# Altium PCB TruthEar.PcbDoc (part 1 of 2)
Units mm, origin at the board's own origin, x right, y up, seen from the top; angles counter-clockwise.
Board outline 104 x 110 mm, 2 copper layers (Top Layer, Bottom Layer); 142 components, 101 nets, 592 pads, 313 vias.
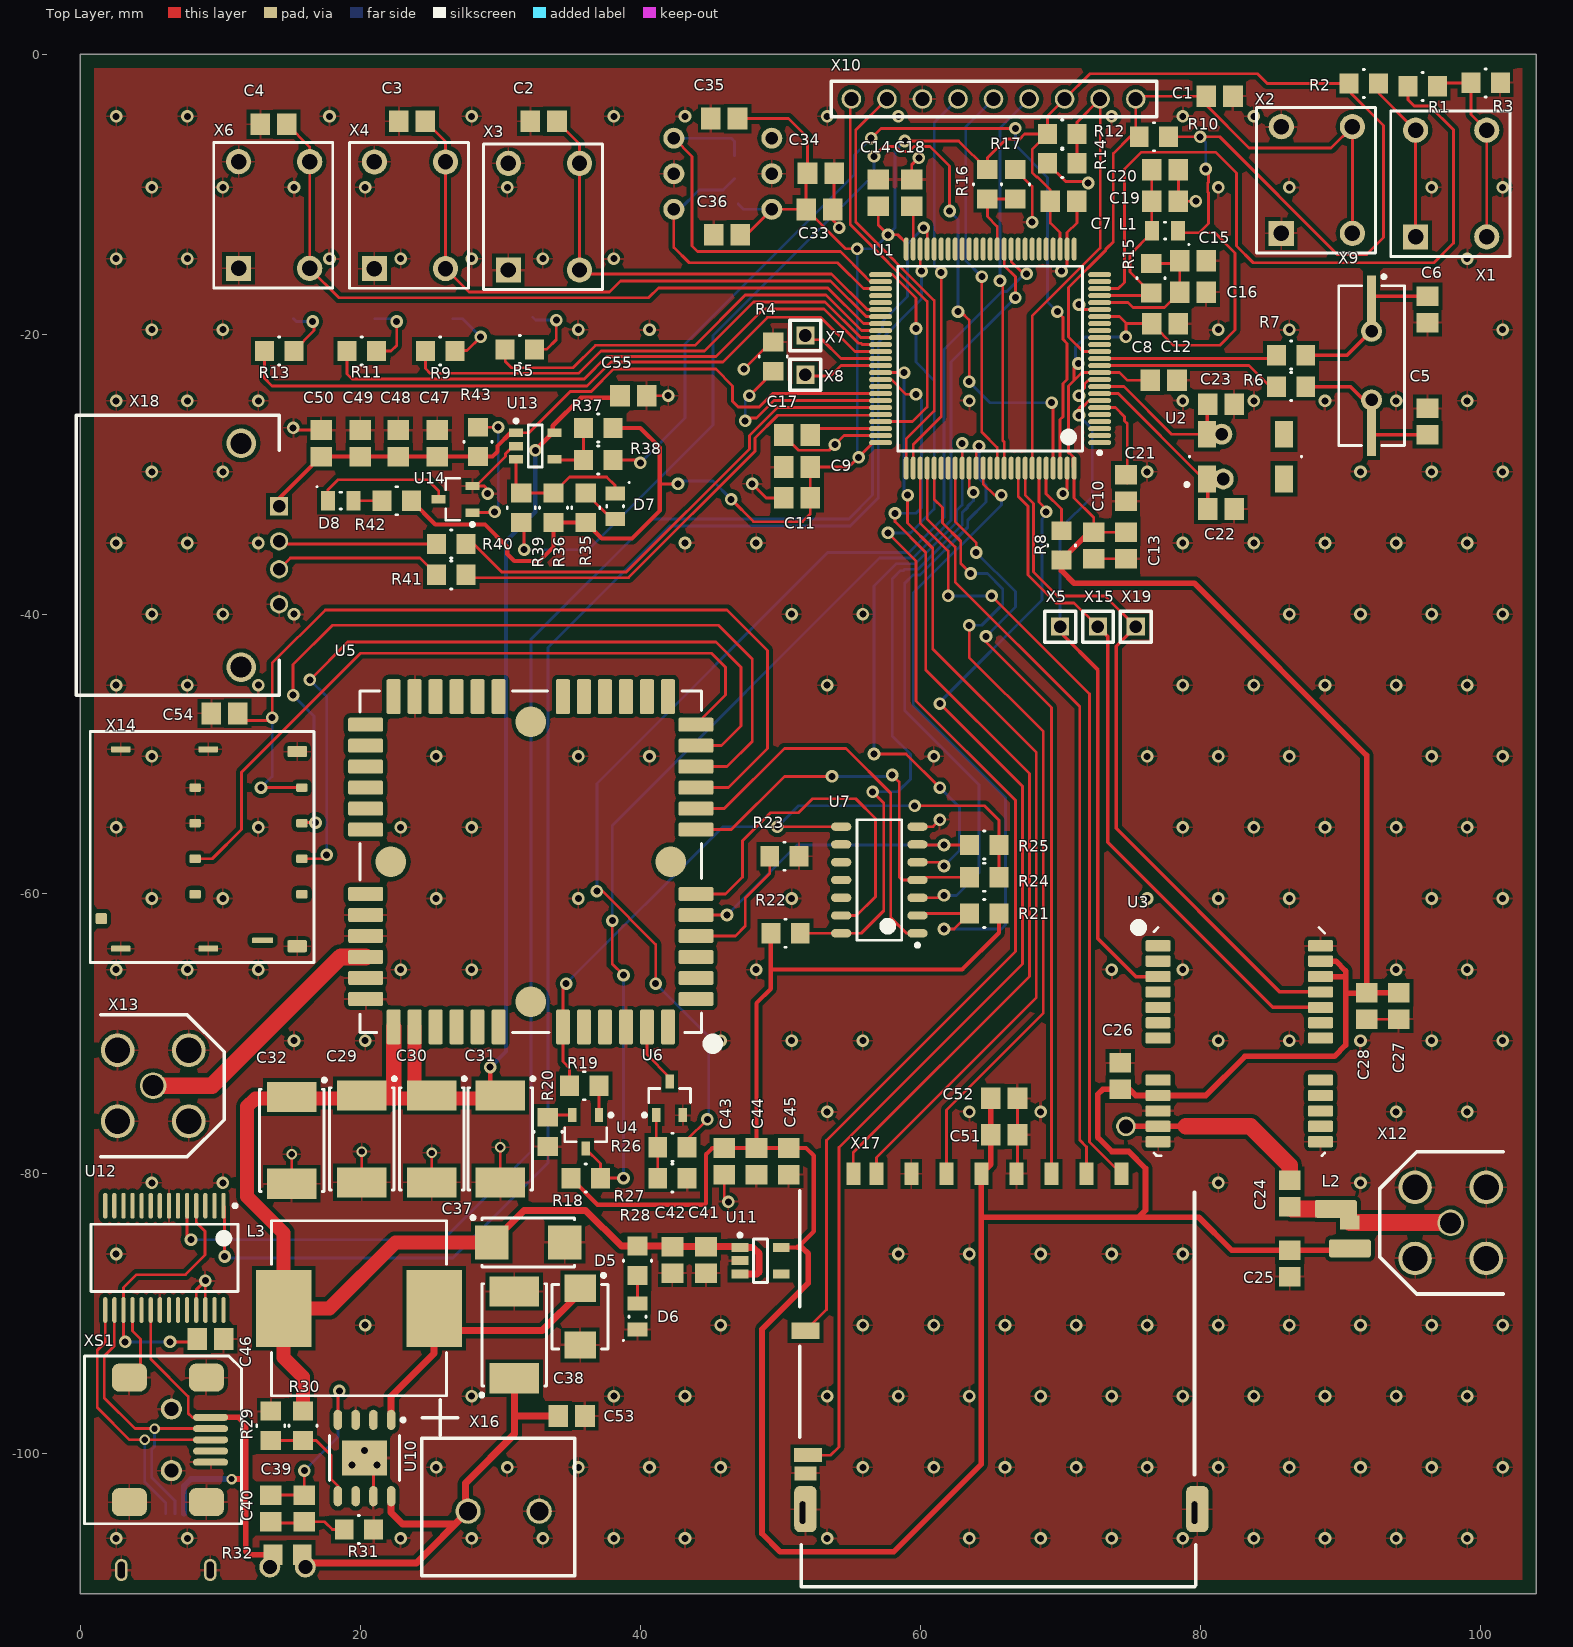
[diagram p0: Top Layer view]
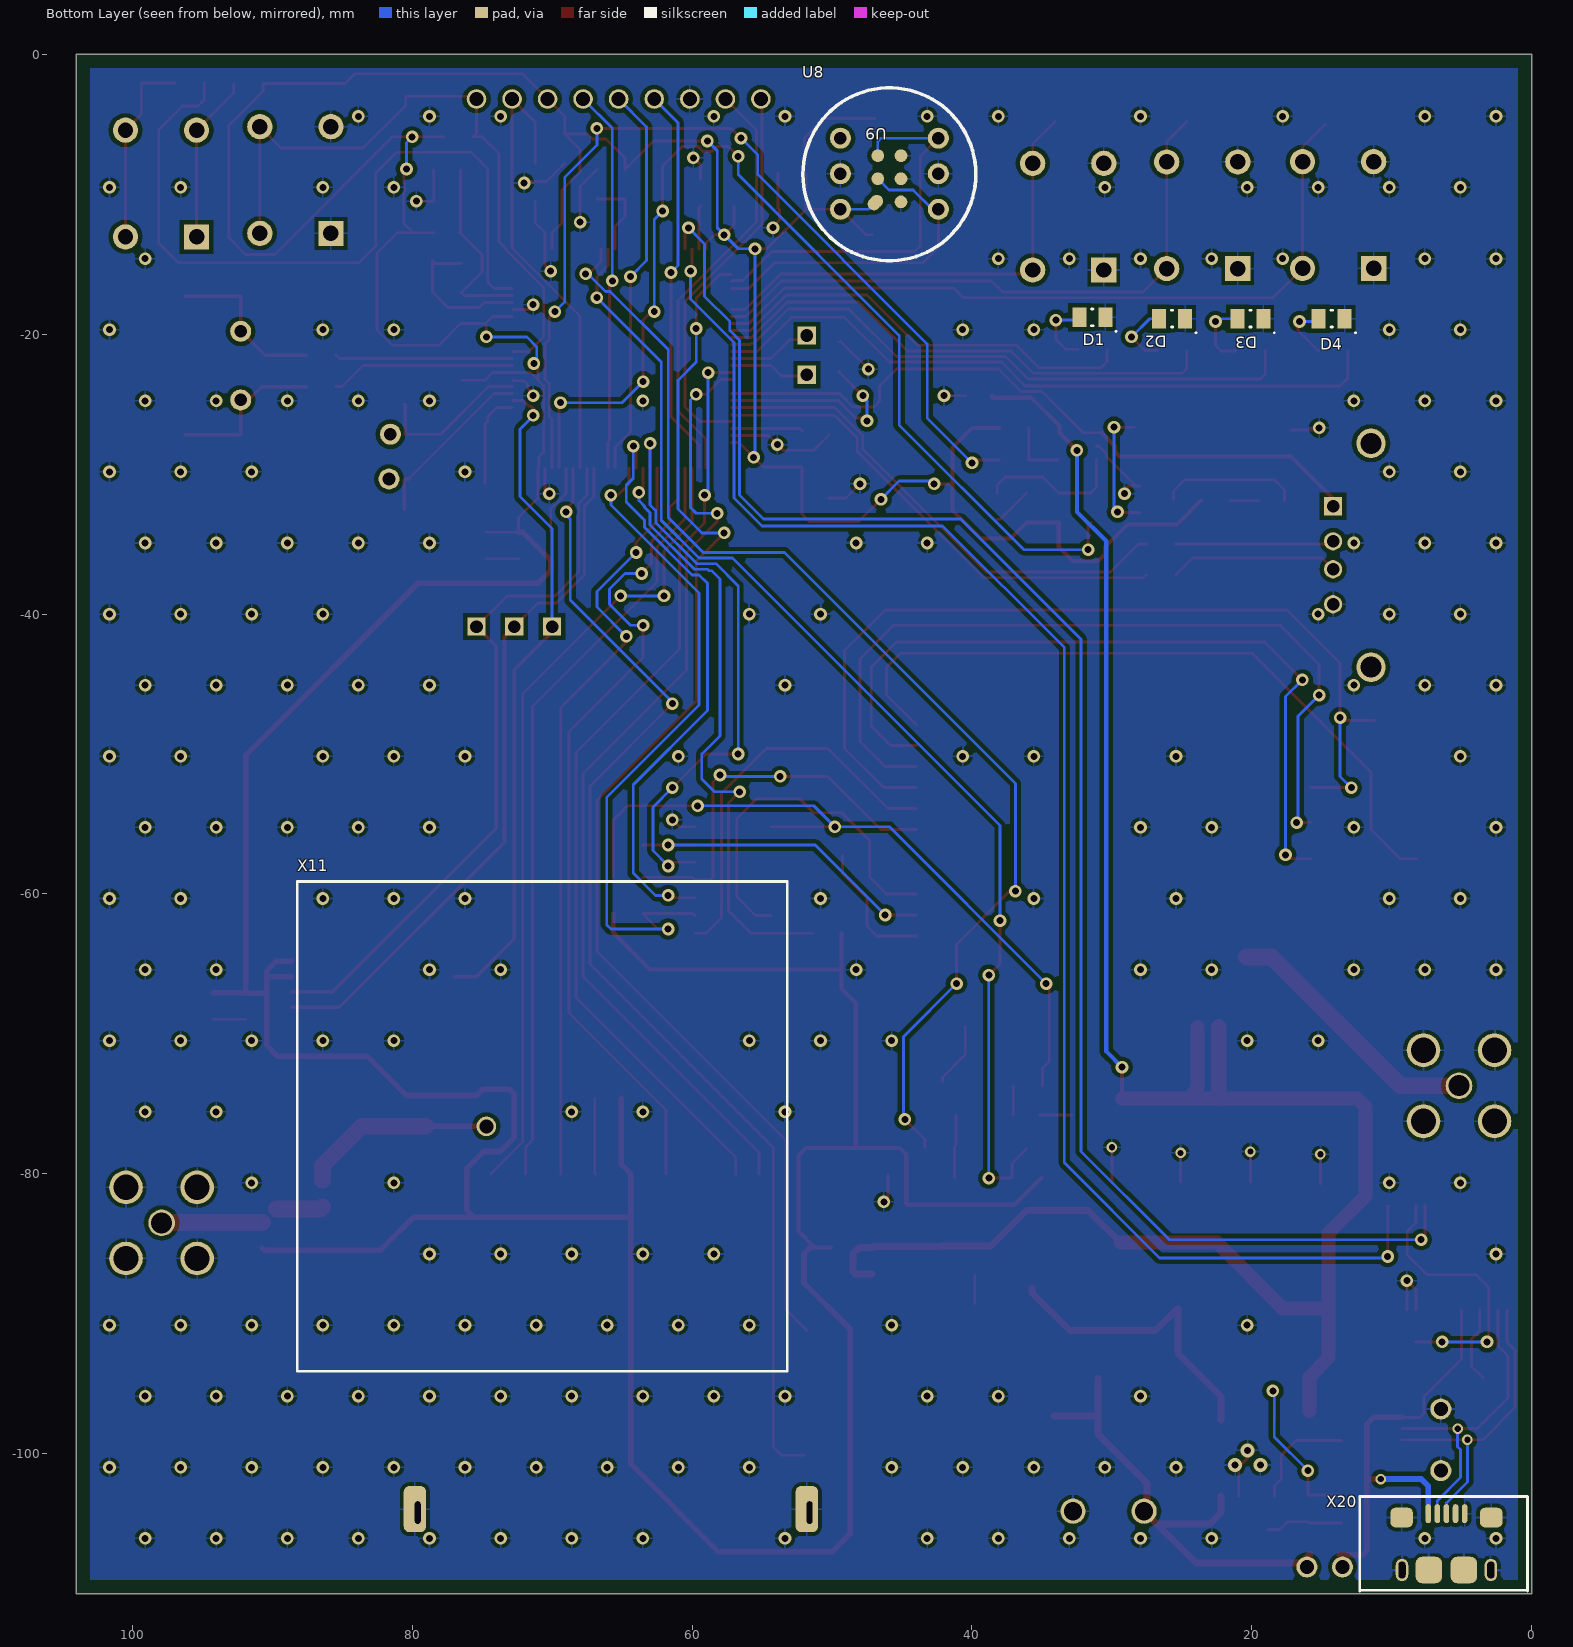
[diagram p1: Bottom Layer view, seen from below]

## Layer stack, top to bottom
Top Solder: solder mask 0.0102, Solder Resist, Dk 3.5
Top Layer: signal copper 0.0356
Dielectric 1: dielectric 0.32, FR-4, Dk 4.8
Bottom Layer: signal copper 0.0356
Bottom Solder: solder mask 0.0102, Solder Resist, Dk 3.5

## Board outline
0,-110 0,0 104,0 104,-110

## Design rules (kind name [scope] priority, off if disabled: settings)
Clearance [All] p1: gap=0.125 except(0.2: Arc-Track Arc-Fill Track-Track Via-Fill; 0.3: Arc-Poly Track-Fill Track-Poly SMDPad-Fill SMDPad-Poly THPad-Fill THPad-Poly Via-Poly Fill-Fill Fill-Poly Poly-Poly)
DiffPairsRouting [All] p1: maxlimit=10 minlimit=0.125 mostfreqgap=0.15 toplayer_minwidth=0.381 toplayer_maxwidth=0.381 toplayer_prefwidth=0.381 bottomlayer_minwidth=0.381 bottomlayer_maxwidth=0.381 bottomlayer_prefwidth=0.381 maxuncoupledlength=12.7
FabricationTestPointUsage FabricationTestPointUsage_1 [All] p1: valid=0 allowmultiple=FALSE
FabricationTestpoint FabricationTestpoint_1 [All] p1: side=3 testpointundercomponent=TRUE minsize=1.016 maxsize=2.54 preferedsize=1.524 minholesize=0 maxholesize=1.016 preferedholesize=0.813 testpointgrid=0.025 allowsidetop=TRUE allowsidebottom=TRUE usegrid=TRUE gridtolerance=0
HoleSize [All] p1: absolutevalues=TRUE maxlimit=6 minlimit=0.2 maxpercent=80.000 minpercent=20.000
HoleSize FabricationTestpoint [All] p2 off: absolutevalues=TRUE maxlimit=2.54 minlimit=0.025 maxpercent=80.000 minpercent=20.000
HoleSize FabricationTestPointUsage [All] p3 off: absolutevalues=TRUE maxlimit=2.54 minlimit=0.025 maxpercent=80.000 minpercent=20.000
MinimumSolderMaskSliver [All] p1: minsoldermaskwidth=0.1
PlaneClearance [All] p1: clearance=0.5
PlaneConnect [All] p1: planeconnectstyle=Relief reliefexpansion=0.4 reliefentries=4 reliefconductorwidth=0.15 reliefairgap=0.15
PolygonConnect [All] p1: connectstyle=Relief reliefconductorwidth=0.15 reliefentries=4 polygonreliefangle="90 Angle" airgapwidth=0.254
RoomDefinition sd [InComponentClass('sd')] p1: confinementstyle=ConfineIn formatcopy=TRUE lockcomponents=FALSE outline -33,-167 17.8,-167 17.8,-141.6 -33,-141.6
RoomDefinition pwr [InComponentClass('pwr')] p2: confinementstyle=ConfineIn formatcopy=TRUE lockcomponents=FALSE outline -33,-167 17.8,-167 17.8,-141.6 -33,-141.6
RoomDefinition otg [InComponentClass('otg')] p3: confinementstyle=ConfineIn formatcopy=TRUE lockcomponents=FALSE outline -33,-167 17.8,-167 17.8,-141.6 -33,-141.6
RoomDefinition mic [InComponentClass('mic')] p4: confinementstyle=ConfineIn formatcopy=TRUE lockcomponents=FALSE outline -33,-167 17.8,-167 17.8,-141.6 -33,-141.6
RoomDefinition gsm [InComponentClass('gsm')] p5: confinementstyle=ConfineIn formatcopy=TRUE lockcomponents=FALSE outline -33,-167 17.8,-167 17.8,-141.6 -33,-141.6
RoomDefinition gps [InComponentClass('gps')] p6: confinementstyle=ConfineIn formatcopy=TRUE lockcomponents=FALSE outline -33,-167 17.8,-167 17.8,-141.6 -33,-141.6
RoomDefinition cpu [InComponentClass('cpu')] p7: confinementstyle=ConfineIn formatcopy=TRUE lockcomponents=FALSE outline -33,-167 17.8,-167 17.8,-141.6 -33,-141.6
RoutingCorners [All] p1: cornerstyle=45-Degree minsetback=1.25 maxsetback=1.25
RoutingVias [All] p1: holewidth=0.3 width=0.6 viastyle="Through Hole" minholewidth=0.2 minwidth=0.45 maxholewidth=0.45 maxwidth=0.75
SilkToSilkClearance [All] p1: silktosilkclearance=0
SolderMaskExpansion [All] p1: expansion=0.075
Width [All] p1: maxlimit=10 minlimit=0.125 preferedwidth=0.15
21 further rules are at their usual default settings.

## Classes and differential pairs
component class cpu: C1 C2 C3 C4 C5 C6 C7 C8 C9 C10 C11 C12 C13 C14 C15 C16 C17 C18 C19 C20 C21 C22 C23 D1 D2 D3 D4 L1 R1 R2 R3 R4 R5 R6 R7 R8 R9 R10 R11 R12 R13 R14 R15 R16 R17 U1 U2 X1 X2 X3 X4 X5 X6 X7 X8 X9 X10 X15 X19
component class gps: C24 C25 C26 C27 C28 L2 U3 X11 X12
component class gsm: C29 C30 C31 C32 C54 R18 R19 R20 R21 R22 R23 R24 R25 R26 R27 U4 U5 U6 U7 X13 X14
component class mic: C33 C34 C35 C36 U8 U9
component class pwr: C37 C38 C39 C40 C41 C42 C43 C44 C45 C46 C53 D5 D6 L3 R28 R29 R30 R31 R32 U10 U11 U12 X16 X20 XS1
component class otg: C47 C48 C49 C50 C55 D7 D8 R35 R36 R37 R38 R39 R40 R41 R42 R43 U13 U14 X18
component class sd: C51 C52 X17
net class SD_DAT[3..0]: SD_DAT0 SD_DAT1 SD_DAT2 SD_DAT3

## Components (designator, comment, footprint, x,y, rotation, side; value= is the part's Value field where it differs from the comment)
C1 "0.1uF" CAPC2012X09M 81.4,-3 r0 top
C2 "0.1uF" CAPC2012X09M 33.1,-4.8 r180 top
C3 "0.1uF" CAPC2012X09M 23.7,-4.8 r180 top
C4 "0.1uF" CAPC2012X09M 13.8,-5 r180 top
C5 "18pF" CAPC2012X09M 96.25,-26.25 r90 top
C6 "18pF" CAPC2012X09M 96.25,-18.25 r270 top
C7 "0.1uF" CAPC2012X09M 70.25,-10.5 r0 top
C8 "0.1uF" CAPC2012X09M 77.4,-23.3 r0 top
C9 "0.1uF" CAPC2012X09M 51.2,-29.5 r180 top
C10 "0.1uF" CAPC2012X09M 72.4,-35.1 r270 top
C11 "0.1uF" CAPC2012X09M 51.2,-31.7 r180 top
C12 "0.1uF" CAPC2012X09M 77.5,-19.25 r0 top
C13 "0.1uF" CAPC2012X09M 74.7,-35.1 r270 top
C14 "0.1uF" CAPC2012X09M 57,-9.9 r90 top
C15 "1uF" CAPC2012X09M 79.5,-14.75 r0 top
C16 "0.1uF" CAPC2012X09M 79.5,-17 r0 top
C17 "2.2uF" CAPC2012X09M 51.2,-27.2 r180 top
C18 "2.2uF" CAPC2012X09M 59.4,-9.9 r90 top
C19 "1uF" CAPC2012X09M 77.5,-10.5 r180 top
C20 "0.1uF" CAPC2012X09M 77.5,-8.25 r180 top
C21 "1uF" CAPC2012X09M 74.7,-31 r270 top
C22 "6.8PF" CAPC2012X09M 81.5,-32.5 r0 top
C23 "6.8PF" CAPC2012X09M 81.5,-25 r0 top
C24 "27pF" CAPC2012X09M 86.4,-81.4 r90 top
C25 "27pF" CAPC2012X09M 86.4,-86.4 r90 top
C26 "0.1uF" CAPC2012X09M 74.3,-73 r90 top
C27 "0.1uF" CAPC2012X09M 94.2,-68 r270 top
C28 "10uF" CAPC2012X09M 91.9,-68 r270 top
C29 "330UF 6.3V" CAPMP7143X31N 20.1,-77.5 r270 top
C30 "330UF 6.3V" CAPMP7143X31N 25.1,-77.5 r270 top
C31 "330UF 6.3V" CAPMP7143X31N 30,-77.5 r270 top
C32 "330UF 6.3V" CAPMP7143X31N 15.1,-77.6 r270 top
C33 "0.1uF" CAPC2012X09M 52.8,-11.1 r0 top
C34 "0.1uF" CAPC2012X09M 52.9,-8.5 r0 top
C35 "10uF" CAPC2012X09M 46,-4.6 r180 top
C36 "10uF" CAPC2012X09M 46.2,-12.9 r180 top
C37 "100UF 6.3V" CAPMP6133X31N 32,-84.9 r0 top
C38 "22uF" CAPMP7143X31N 31,-91.5 r90 top
C39 "22nF" CAPC2012X09M 16,-103.9 r270 top
C40 "220pF" CAPC2012X09M 13.6,-103.9 r270 top
C41 "10uF" CAPC2012X09M 44.7,-86.15 r270 top
C42 "10uF" CAPC2012X09M 42.3,-86.15 r270 top
C43 "10uF" CAPC2012X09M 46,-79.1 r270 top
C44 "0.1uF" CAPC2012X09M 48.3,-79.1 r270 top
C45 "1uF" CAPC2012X09M 50.6,-79.1 r270 top
C46 "0.1uF" CAPC2012X09M 9.3,-91.8 r0 top
C47 "1uF" CAPC2012X09M 25.5,-27.8 r90 top
C48 "1uF" CAPC2012X09M 22.7,-27.8 r90 top
C49 "1uF" CAPC2012X09M 20,-27.8 r90 top
C50 "1uF" CAPC2012X09M 17.2,-27.8 r90 top
C51 "0.1uF" CAPC2012X09M 66,-77.2 r0 top
C52 "0.1uF" CAPC2012X09M 66,-74.6 r0 top
C53 "0.1uF" CAPC2012X09M 35.1,-97.3 r0 top
C54 "0.1uF" CAPC2012X09M 10.3,-47.1 r180 top
C55 "0.1uF" CAPC2012X09M 39.5,-24.4 r0 top
D1 "LED_GREEN" DIOC2012X11N 31.4,-18.8 r0 bottom
D2 "LED_GREEN" DIOC2012X11N 25.7,-18.9 r0 bottom
D3 "LED_RED" DIOC2012X11N 20.1,-18.9 r0 bottom
D4 "LED_RED" DIOC2012X11N 14.3,-18.9 r0 bottom
D5 "STPS340U" SODFL535X265-2N 35.7,-90.2 r270 top
D6 "LED_GREEN" DIOC2012X11N 39.8,-90.2 r90 top
D7 "LED_RED" DIOC2012X11N 38.2,-32.3 r270 top
D8 "LED_GREEN" DIOC2012X11N 18.6,-31.9 r0 top
L1 "BLM21RK102SN1D" DIOC2012X11N 77.5,-12.6 r180 top
L2 "RF inductor" DIOC2012X11N_RF 90.7,-84.4 r270 top
L3 "CDRH125NP-150MC" INDP123123X40N_SUMIDA 19.9,-89.6 r180 top
R1 "510" RESC2013X06M 95.9,-2.3 r180 top
R2 "510" RESC2013X06M 91.7,-2.1 r0 top
R3 "100K" RESC2013X06M 100.4,-2.05 r180 top
R4 "0" RESC2013X06M 49.5,-21.6 r270 top
R5 "510" RESC2013X06M 31.4,-21.1 r180 top
R6 "0" RESC2013X06M 86.5,-23.75 r0 top
R7 "33" RESC2013X06M 86.5,-21.5 r0 top
R8 "4.7K" RESC2013X06M 70.1,-35.1 r270 top
R9 "510" RESC2013X06M 25.7,-21.2 r180 top
R10 "10K" RESC2013X06M 76.7,-5.9 r180 top
R11 "510" RESC2013X06M 20.1,-21.2 r180 top
R12 "10K" RESC2013X06M 70.15,-5.7 r180 top
R13 "510" RESC2013X06M 14.2,-21.2 r180 top
R14 "510" RESC2013X06M 70.15,-7.8 r180 top
R15 "10R" RESC2013X06M 76.5,-16 r90 top
R16 "10K" RESC2013X06M 64.8,-9.3 r270 top
R17 "510" RESC2013X06M 66.8,-9.3 r270 top
R18 "1K" RESC2013X06M 36.1,-80.3 r180 top
R19 "1K" RESC2013X06M 36,-73.7 r180 top
R20 "1K" RESC2013X06M 33.4,-77 r90 top
R21 "1K" RESC2013X06M 64.579,-61.4 r0 top
R22 "1K" RESC2013X06M 50.379,-62.8 r180 top
R23 "1K" RESC2013X06M 50.3,-57.3 r0 top
R24 "1K" RESC2013X06M 64.579,-58.8 r0 top
R25 "1K" RESC2013X06M 64.579,-56.5 r0 top
R26 "1K" RESC2013X06M 42.3,-78.1 r180 top
R27 "1K" RESC2013X06M 42.3,-80.3 r180 top
R28 "1K" RESC2013X06M 39.8,-86.2 r90 top
R29 "18K" RESC2013X06M 13.6,-98 r90 top
R30 "44.2K" RESC2013X06M 15.9,-98 r270 top
R31 "4.7K" RESC2013X06M 19.9,-105.4 r0 top
R32 "0 CMeasure" RESC2013X06M_CMEASURE 14.8,-107.2 r0 top
R35 "510" RESC2013X06M 36.1,-32.4 r270 top
R36 "47K" RESC2013X06M 33.8,-32.4 r270 top
R37 "10K" RESC2013X06M 37,-26.7 r0 top
R38 "0" RESC2013X06M 37,-29 r180 top
R39 "0" RESC2013X06M 31.5,-32.4 r90 top
R40 "10R" RESC2013X06M 26.5,-35 r180 top
R41 "10R" RESC2013X06M 26.5,-37.2 r180 top
R42 "510" RESC2013X06M 22.6,-31.9 r0 top
R43 "47K" RESC2013X06M 28.4,-27.7 r270 top
U1 "STM32F407VGT6" TSQFP50P1600X1600X160-100M 65,-21.75 r180 top locked
U2 "32.768KHZ" SOJ550P380X254-4M 83.25,-28.75 r90 top
U3 "SL869V2" SL869V2_FOOT 82.8,-70.7 r0 top
U4 "BC817" SOT95P237X111-3N_SOT-23 36.1,-77 r270 top
U5 "GL865-DUAL" GL865_FOOT 32.179,-57.7 r180 top
U6 "BC817" SOT95P237X111-3N_SOT-23 42.1,-74.6 r90 top
U7 "74LVC07A" TSOP127P600X145-14N 57.079,-59 r180 top
U8 "STEVAL-MKI129V1" STEVAL-MKI129V1 42.4,-11.08 r0 bottom locked
U9 "MP45DT02" LGA6C165P2X3_376X472X125 45.9,-8.9 r0 bottom
U10 "L5973D013TR" SOIC127P600X175_HS-9N 20.3,-100.3 r270 top locked
U11 "TLV70233DBVT" SOT95P280X145-5M 48.6,-86.2 r0 top
U12 "FT232RL" SOP65P780X200-28M 6,-86 r270 top
U13 "STMPS2141STR" SOT95P280X145-5N 32.5,-28 r0 top
U14 "BC817" SOT95P237X111-3N_SOT-23 26.8,-31.8 r180 top
X1 "PUSH BTN" PUSHBTN 95.4,-13.05 r0 top
X2 "PUSH BTN" PUSHBTN 85.8,-12.8 r0 top
X3 "PUSH BTN" PUSHBTN 30.582,-15.417 r0 top
X4 "PUSH BTN" PUSHBTN 21.007,-15.317 r0 top
X5 "TestPoint" TP 70,-40.9 r0 top
X6 "PUSH BTN" PUSHBTN 11.3,-15.3 r0 top
X7 "TestPoint" TP 51.8,-20.1 r0 top
X8 "TestPoint" TP 51.8,-22.9 r0 top
X9 "25.000Mhz" SODFL1270X420-2L 92.25,-22.25 r270 top
X10 "PLS9" PLS9 75.4,-3.2 r180 top
X11 "PATCH_ANTENNA" PATCH_ANTENNA 74.7,-76.6 r90 bottom
X12 "SMA6252A2-3GT50G-50" SMA6252A2-3GT50G-50 97.9,-83.5 r0 top
X13 "SMA6252A2-3GT50G-50" SMA6252A2-3GT50G-50 5.2,-73.7 r180 top
X14 "115I-AEAA" 115I-AEAA 8.2,-52.4 r0 top
X15 "TestPoint" TP 72.7,-40.9 r0 top
X16 "POWER_TERM" PH5 27.7,-104.1 r0 top
X17 "104H-TDA0-R01" 104H-TDA0-R01 65,-80 r0 top
X18 "743941-da-01" USB-A 14.2,-35.8 r90 top
X19 "TestPoint" TP 75.4,-40.9 r0 top
X20 "10118193-0001LF" USB_MICRO_10118193 6.1,-108.3 r180 bottom
XS1 "16M2764" USB_MINI_16M2764 9,-99 r270 top

## Footprints (in the part's own frame and the unit in brackets; to place one, negate y for a bottom-side part, rotate by r counter-clockwise, add the part's x,y. Pads: shape width x height; smd on the part's side, far side on the other; paste and mask are expansions set on the pad)
104H-TDA0-R01 [mm] "SD card connector"
  rect 1x1.6 smd: 1(6.88,0) 2(4.38,0) 3(1.88,0) 4(-0.63,0) 5(-3.13,0) 6(-5.63,0) 7(-8.13,0) 8(-9.78,0) 9(9.38,0)
  rect 2x1.2 smd: 10(-13.2,-11.2)
  rect 2x1 smd: 11(-13,-20.1)
  rect 1.55x1 smd: 12(-13.2,-21.4)
  rrect50% 1.6x3.3 hole 0.4 slot 1.6 at 90 deg copper offset 0.2,0.25: 13(-13.4,-24.2) 14(14.6,-24.2)
  silkscreen extent -13.6,-29.5 14.7,-1.2, body extent -13.48,-29.5 14.68,0.31, height 2.7
115I-AEAA [mm] "SIM card holder"
  rrect25% 0.8x0.6 smd: C1(7.62,0) C2(7.62,-2.54) C3(7.62,-5.08) C4(7.62,-7.62) C5(0,0) C6(0,-2.54) C7(0,-5.08) C8(0,-7.62)
  rrect25% 0.8x0.8 smd: D0(-6.71,-9.36)
  rrect25% 1.5x0.4 smd: D1(4.82,-10.92)
  rrect25% 1.4x0.8 smd: GND1(7.29,2.57)
  rrect25% 1.4x0.42 smd: GND2(0.94,2.73) GND3(-5.32,2.73) GND4(-5.32,-11.5) GND5(0.94,-11.5)
  rrect25% 1.4x0.87 smd: GND6(7.29,-11.33)
  silkscreen extent -7.5,-12.5 8.5,4, body extent -7.32,-11.64 7.9,2.84, height 1.2
CAPC2012X09M [mm] "Chip Capacitor, 2-Leads, Body 2,01x1,25mm, IPC Low Density"
  rect 1.4x1.55 smd: 1(-0.95,0) 2(0.95,0)
  body extent -1.1,-0.72 1.11,0.72, height 0.94
CAPMP6133X31N [mm] "CASE C Molded Capacitor, 2-Leads, Body 6.15x3.30mm, IPC Medium Density"
  rect 2.4x2.45 smd: 1(-2.6,0) 2(2.6,0)
  silkscreen extent -4.07,-1.75 3.3,1.9, body extent -3.3,-1.75 3.3,1.75, height 3.1
CAPMP7143X31N [mm] "CASE D Molded Capacitor, 2-Leads, Body 7.15x4.30mm, IPC Medium Density"
  rect 2.15x3.55 smd: 1(-3.1,0) 2(3.1,0)
  silkscreen extent -4.42,-2.3 3.65,2.45, body extent -3.65,-2.3 3.65,2.3, height 3.1
DIOC2012X11N [mm] "Chip Diode, 2-Leads, Body 2.00x1.25mm, IPC Medium Density"
  rect 1x1.4 smd: 1(-0.925,0) 2(0.925,0)
  silkscreen extent -1.75,-0.6 0.05,1.05, body extent -1,-0.63 1,0.63, height 1.1
DIOC2012X11N_RF [mm] "Chip Diode, 2-Leads, Body 2.00x1.25mm, IPC Medium Density"
  rrect25% 1.27x3 smd: 1(-1.9,-1) 2(0.925,0)
  rect 1x1.4 smd: 1(-0.925,0) 2(0.925,0)
  body extent -1,-0.63 1,0.63, height 1.1
GL865_FOOT [mm]
  rrect25% 2.5x1 smd: 1(-11.8,9.8) 2(-11.8,8.3) 3(-11.8,6.8) 4(-11.8,5.3) 5(-11.8,3.8) 6(-11.8,2.3) 7(-11.8,-2.3) 8(-11.8,-3.8) 9(-11.8,-5.3) 10(-11.8,-6.8) 11(-11.8,-8.3) 12(-11.8,-9.8) 25(11.8,-9.8) 26(11.8,-8.3) 27(11.8,-5.3) 27(11.8,-6.8) 29(11.8,-3.8) 30(11.8,-2.3) 31(11.8,2.3) 32(11.8,3.8) 33(11.8,5.3) 34(11.8,6.8) 35(11.8,8.3) 36(11.8,9.8)
  rrect25% 1x2.5 smd: 13(-9.8,-11.8) 14(-8.3,-11.8) 15(-6.8,-11.8) 16(-5.3,-11.8) 17(-3.8,-11.8) 18(-2.3,-11.8) 19(2.3,-11.8) 20(3.8,-11.8) 21(5.3,-11.8) 22(6.8,-11.8) 23(8.3,-11.8) 24(9.8,-11.8) 37(9.8,11.8) 38(8.3,11.8) 39(6.8,11.8) 40(5.3,11.8) 41(3.8,11.8) 42(2.3,11.8) 43(-2.3,11.8) 44(-3.8,11.8) 45(-5.3,11.8) 46(-6.8,11.8) 47(-8.3,11.8) 48(-9.8,11.8)
  round 2.2 smd: 49(0,10) 50(10,0) 51(-10,0) 52(0,-10)
  silkscreen extent -13.22,-12.2 12.2,13.22, body extent -12.2,-12.2 12.2,12.2, height 2.9
INDP123123X40N_SUMIDA [mm] "Precision Wire Wound Inductor, 2-Leads, Body 12.35x12.35mm, IPC Medium Density"
  rect 3.95x5.5 smd: 1(-5.375,0) 2(5.375,0)
  silkscreen extent -6.25,-6.25 6.25,6.25, body extent -6.25,-6.25 6.25,6.25, height 4
LGA6C165P2X3_376X472X125 [mm] "LGA, 6-Leads, Body 3,76x4,72mmx1,25mm, Pitch 1,65mm"
  round 0.91 smd: 1(-0.825,1.65) 2(-0.825,0) 3(-0.825,-1.65) 4(0.825,-1.65) 5(0.825,0) 6(0.9,1.6) 6(1.1,1.8)
  body extent -1.9,-2.39 1.91,2.38, height 1.25
PATCH_ANTENNA [mm] "1 pin"
  round 1.4 hole 1: 1(0,0)
  silkscreen extent -17.5,-21.5 17.5,13.5
PH5 [mm] "Phoenix Contact 5.08mm"
  round 1.8 hole 1.3: 1(0,0) 2(5.08,0)
  silkscreen extent -3.3,-4.6 7.62,7.96, body extent -3.25,-4.6 7.65,5.2, height 14.2
PLS9 [mm] "2.54 mm Jumper Header"
  round 1.4 hole 1: 1(0,0) 2(2.54,0) 3(5.08,0) 4(7.62,0) 5(10.16,0) 6(12.7,0) 7(15.24,0) 8(17.78,0) 9(20.32,0)
  silkscreen extent -1.5,-1.27 21.75,1.27
PUSHBTN [mm]
  rect 1.8x1.8 hole 1.1: 1(0,0)
  round 1.8 hole 1.1: 2(5.08,0) 3(0,7.62) 4(5.08,7.62)
  silkscreen extent -1.78,-1.4 6.73,9
RESC2013X06M [mm] "Chip Resistor, 2-Leads, Body 2,03x1,27mm, IPC Low Density"
  rect 1.35x1.45 smd: 1(-1.05,0) 2(1.05,0)
  silkscreen extent -0.05,-1 0.05,1, body extent -1.14,-0.64 1.14,0.64, height 0.59
RESC2013X06M_CMEASURE [mm] "Chip Resistor, 2-Leads, Body 2,03x1,27mm, IPC Low Density"
  round 1.5 hole 1: 1(-1.27,-0.889) 2(1.27,-0.889)
  rect 1.35x1.45 smd: 1(-1.05,0) 2(1.05,0)
  body extent -1.14,-0.64 1.14,0.64, height 0.59
SL869V2_FOOT [mm]
  rrect25% 1.8x0.8 smd: 1(-5.8,7) 2(-5.8,5.9) 3(-5.8,4.8) 4(-5.8,3.7) 5(-5.8,2.6) 6(-5.8,1.5) 7(-5.8,0.4) 8(-5.8,-2.6) 9(-5.8,-3.7) 10(-5.8,-4.8) 11(-5.8,-5.9) 12(-5.8,-7) 13(5.8,-7) 14(5.8,-5.9) 15(5.8,-4.8) 16(5.8,-3.7) 17(5.8,-2.6) 18(5.8,0.4) 19(5.8,1.5) 20(5.8,2.6) 21(5.8,3.7) 22(5.8,4.8) 23(5.8,5.9) 24(5.8,7)
  silkscreen extent -7.3,-8 6.1,8.4, body extent -6.1,-8 6.1,8
SMA6252A2-3GT50G-50 [mm] "SMA6252A2-3GT50G-50"
  round 2.4 hole 1.8: 1(-2.54,2.54) 2(-2.54,-2.54) 3(2.54,-2.54) 4(2.54,2.54)
  round 1.9 hole 1.5: 5(0,0)
  silkscreen extent -5.08,-5.08 3.75,5.08
SODFL535X265-2N [mm] "SODFL, 2-Leads, Body 3.63x5.35mm, IPC Medium Density"
  rect 1.95x2.25 smd: 1(-2.025,0) 2(2.025,0)
  silkscreen extent -3.07,-2 2.3,2, body extent -2.3,-1.97 2.3,1.97, height 2.65
SODFL1270X420-2L [mm] "SODFL, 2-Leads, Body 4,70x12,70mm, IPC High Density"
  rect 4x0.65 smd: 1(-4.45,0) 2(4.45,0)
  round 1.5 hole 0.9: 1(-2.45,0) 2(2.45,0)
  silkscreen extent -6.47,-2.35 5.7,2.35, body extent -6.35,-2.35 6.35,2.35, height 4.2
SOIC127P600X175_HS-9N [mm] "SOIC, 8-Leads, Body 4.90x3.90mm, Pitch 1.27mm, Thermal Pad 3.20x2.51mm, IPC Medium Density"
  oval 1.45x0.6 smd: 1(-2.725,1.905) 2(-2.725,0.635) 3(-2.725,-0.635) 4(-2.725,-1.905) 5(2.725,-1.905) 6(2.725,-0.635) 7(2.725,0.635) 8(2.725,1.905)
  rect 2.51x3.2 smd: 9(0,0)
  silkscreen extent -2.85,-2.5 1.6,2.88, body extent -2,-2.5 2,2.5, height 1.75
SOJ550P380X254-4M [mm] "SOJ, 4-Leads, Body 8,00x3,80mm, Pitch 5,50mm, IPC Low Density"
  round 1.5 hole 0.9: 1(-1.6,1.6) 4(1.6,1.7)
  rect 1.9x1.3 smd: 1(-1.6,2.75) 2(-1.6,-2.75) 3(1.6,-2.75) 4(1.6,2.75)
  silkscreen extent -2.12,-4 0.03,4.32, body extent -2.1,-4 2.1,4, height 2.54
SOP65P780X200-28M [mm] "SOP, 28-Leads, Body 10,30x5,30mm, Pitch 0,65mm, IPC Low Density"
  oval 1.85x0.3 smd: 1(-3.725,4.225) 2(-3.725,3.575) 3(-3.725,2.925) 4(-3.725,2.275) 5(-3.725,1.625) 6(-3.725,0.975) 7(-3.725,0.325) 8(-3.725,-0.325) 9(-3.725,-0.975) 10(-3.725,-1.625) 11(-3.725,-2.275) 12(-3.725,-2.925) 13(-3.725,-3.575) 14(-3.725,-4.225) 15(3.725,-4.225) 16(3.725,-3.575) 17(3.725,-2.925) 18(3.725,-2.275) 19(3.725,-1.625) 20(3.725,-0.975) 21(3.725,-0.325) 22(3.725,0.325) 23(3.725,0.975) 24(3.725,1.625) 25(3.725,2.275) 26(3.725,2.925) 27(3.725,3.575) 28(3.725,4.225)
  silkscreen extent -3.85,-5.25 2.4,5.25, body extent -3.9,-5.25 3.9,5.25, height 2
SOT95P237X111-3N_SOT-23 [mm] "SOT23, 3-Leads, Body 2.92x2.37mm, Pitch 0.95mm, IPC Medium Density"
  rect 1x0.6 smd: 1(-1.2,0.95) 2(-1.2,-0.95) 3(1.2,0)
  silkscreen extent -1.32,-1.5 0.7,1.93, body extent -0.7,-1.52 0.7,1.52, height 1.11
SOT95P280X145-5M [mm] "SOT23, 5-Leads, Body 2,90x2,80mm, Pitch 0,95mm, IPC Low Density"
  rect 1.2x0.65 smd: 1(-1.475,0.95) 2(-1.475,0) 3(-1.475,-0.95) 4(1.475,-0.95) 5(1.475,0.95)
  silkscreen extent -1.6,-1.55 0.5,1.95, body extent -0.88,-1.52 0.87,1.53, height 1.45
SOT95P280X145-5N [mm] "SOT23, 5-Leads, Body 2,90x2,80mm, Pitch 0,95mm, IPC Medium Density"
  rect 1x0.6 smd: 1(-1.375,0.95) 2(-1.375,0) 3(-1.375,-0.95) 4(1.375,-0.95) 5(1.375,0.95)
  silkscreen extent -1.5,-1.5 0.5,1.92, body extent -1.6,-1.5 1.6,1.5, height 1.45
STEVAL-MKI129V1 [mm] "Microphone Board"
  round 1.5 hole 0.9: 1(0,0) 2(0,-2.54) 3(0,-5.08) 4(7,-5.08) 5(7,-2.54) 6(7,0)
  silkscreen extent -2.68,-8.67 9.68,3.67
TP [mm] "TestPoint"
  rect 1.3x1.3 hole 0.9: 1(0,0)
  silkscreen extent -1.1,-1.1 1.1,1.1
TSOP127P600X145-14N [mm] "TSOP, 14-Leads, Body 8,65x3,90mm, Pitch 1,27mm, IPC Medium Density"
  oval 1.45x0.6 smd: 1(-2.725,3.81) 2(-2.725,2.54) 3(-2.725,1.27) 4(-2.725,0) 5(-2.725,-1.27) 6(-2.725,-2.54) 7(-2.725,-3.81) 8(2.725,-3.81) 9(2.725,-2.54) 10(2.725,-1.27) 11(2.725,0) 12(2.725,1.27) 13(2.725,2.54) 14(2.725,3.81)
  silkscreen extent -2.85,-4.3 1.6,4.78, body extent -3,-4.3 3,4.3, height 1.45
TSQFP50P1600X1600X160-100M [mm] "TSQFP, 100-Leads, Body 14.00x14.00mm, Pitch 0.50mm, IPC Low Density"
  oval 1.65x0.35 smd: 1(-7.825,6) 2(-7.825,5.5) 3(-7.825,5) 4(-7.825,4.5) 5(-7.825,4) 6(-7.825,3.5) 7(-7.825,3) 8(-7.825,2.5) 9(-7.825,2) 10(-7.825,1.5) 11(-7.825,1) 12(-7.825,0.5) 13(-7.825,0) 14(-7.825,-0.5) 15(-7.825,-1) 16(-7.825,-1.5) 17(-7.825,-2) 18(-7.825,-2.5) 19(-7.825,-3) 20(-7.825,-3.5) 21(-7.825,-4) 22(-7.825,-4.5) 23(-7.825,-5) 24(-7.825,-5.5) 25(-7.825,-6) 51(7.825,-6) 52(7.825,-5.5) 53(7.825,-5) 54(7.825,-4.5) 55(7.825,-4) 56(7.825,-3.5) 57(7.825,-3) 58(7.825,-2.5) 59(7.825,-2) 60(7.825,-1.5) 61(7.825,-1) 62(7.825,-0.5) 63(7.825,0) 64(7.825,0.5) 65(7.825,1) 66(7.825,1.5) 67(7.825,2) 68(7.825,2.5) 69(7.825,3) 70(7.825,3.5) 71(7.825,4) 72(7.825,4.5) 73(7.825,5) 74(7.825,5.5) 75(7.825,6)
  oval 0.35x1.65 smd: 26(-6,-7.825) 27(-5.5,-7.825) 28(-5,-7.825) 29(-4.5,-7.825) 30(-4,-7.825) 31(-3.5,-7.825) 32(-3,-7.825) 33(-2.5,-7.825) 34(-2,-7.825) 35(-1.5,-7.825) 36(-1,-7.825) 37(-0.5,-7.825) 38(0,-7.825) 39(0.5,-7.825) 40(1,-7.825) 41(1.5,-7.825) 42(2,-7.825) 43(2.5,-7.825) 44(3,-7.825) 45(3.5,-7.825) 46(4,-7.825) 47(4.5,-7.825) 48(5,-7.825) 49(5.5,-7.825) 50(6,-7.825) 76(6,7.825) 77(5.5,7.825) 78(5,7.825) 79(4.5,7.825) 80(4,7.825) 81(3.5,7.825) 82(3,7.825) 83(2.5,7.825) 84(2,7.825) 85(1.5,7.825) 86(1,7.825) 87(0.5,7.825) 88(0,7.825) 89(-0.5,7.825) 90(-1,7.825) 91(-1.5,7.825) 92(-2,7.825) 93(-2.5,7.825) 94(-3,7.825) 95(-3.5,7.825) 96(-4,7.825) 97(-4.5,7.825) 98(-5,7.825) 99(-5.5,7.825) 100(-6,7.825)
  silkscreen extent -7.95,-6.6 6.6,6.85, body extent -7,-7 7,7, height 1.6
USB-A [mm] "FEMALE"
  rect 1.3x1.3 hole 0.9: 1(3.5,0)
  round 1.3 hole 0.9: 2(1,0) 3(-1,0) 4(-3.5,0)
  round 2.1 hole 1.5: 5(8,2.71) 6(-8,2.71)
  silkscreen extent -10,0 10,14.5, body extent -8.55,-0.6 8.55,13.4, height 6.57
USB_MICRO_10118193 [mm]
  oval 0.4x1.35 smd mask+0.125: 1(-1.3,4.025) 2(-0.65,4.025) 3(0,4.025) 4(0.65,4.025) 5(1.3,4.025)
  rrect50% 1.6x1.4 smd: 6(-3.2,3.75) 7(3.2,3.75)
  rrect50% 1.9x1.9 smd: 8(-1.25,0) 9(1.25,0)
  oval 0.9x1.6 hole 0.5 slot 1.2 at 90 deg: 10(-3.175,0) 11(3.175,0)
  silkscreen extent -6.2,-1.5 5.8,5.25
USB_MINI_16M2764 [mm] "USB-06_1800"
  oval 0.5x2.5 smd: 1(-1.6,0.3) 2(-0.8,0.3) 3(0,0.3) 4(0.8,0.3) 5(1.6,0.3)
  rrect50% 2x2.5 smd: 6(-4.45,0) 7(4.45,0) 8(-4.45,-5.5) 9(4.45,-5.5)
  round 1.5 hole 1: 10(-2.2,-2.5) 11(2.2,-2.5)
  silkscreen extent -6,-8.7 6,2.5, body extent -4.95,-8.4 4.95,0.8, height 4.14

## Part data
C1 C2 C3 C4 C7 C8 C9 C10 C11 C12 C13 C14 C16 C20 C26 C27 C33 C34 C44 C46 C51 C52 C53 C54 C55: library part CAP_SMD_0.1UF_10%, "CAP CER 0.1UF 25V 10% X7R 0805"
C5 C6: library part CAP_SMD_18PF_5%, "CAP CER 27PF 200V 5% NP0 0805"
C15 C19 C21 C45 C47 C48 C49 C50: library part CAP_SMD_1uF_10%, "MLCC; 1uF; 25V; X7R; ±10%; SMD; 0805;"
C17 C18: library part CAP_SMD_2.2uF_10%, "CAP CER 2.2UF 16V 10% X5R 0805"
C22 C23: library part CAP_SMD_6.8PF_5%, "CAP MLCC 6.8PF 50V 5% NP0 0805"
C24 C25: library part CAP_SMD_27PF_5%, "CAP CER 27PF 200V 5% NP0 0805"
C28 C35 C36 C41 C42 C43: library part CAP_SMD_10UF_20%, "CAP CER 10UF 16V 20% X5R 0805"
C29 C30 C31 C32: library part CAP_SMD_330UF_10%, "CAP 330uF; 6.3V; Case: D"
C37: library part CAP_SMD_100UF_10%, "CAP 100uF; 6.3V; Case: C; ESR:150mOhm"
C38: library part CAP_SMD_22UF_10%, "CAP SMD 35volts 22uF 10% ESR=300mOhms"
C39: library part CAP_SMD_22nF_10%, "CAP 22NF 50V 10% X7R 0805"
C40: library part CAP_SMD_220pF_10%, "CAP 220PF 50V 10%  0805"
D5: "DIODE, ZENER, 20V, 3W"
L2: library part RF_IND35.5nH, "RF 35.5NH 1.5GHZ"
L3: library part IND_15uH_3.3A
R1 R2 R5 R9 R11 R13 R14 R17 R35 R42: library part RES_SMD_510_5%, "RES - 510 OHM, 5%, 1/8W, 0805 SMD"
R3: library part RES_SMD_100K, "RES - 100K OHM, 5%, 1/8W, 0805 SMD"
R4 R6 R38 R39: library part RES_SMD_0, "RES 0.0 OHM 1/8W JUMP 0805 SMD"
R7: library part RES_SMD_33R_5%, "RES - 33 OHM, 5%, 1/8W, 0805 SMD"
R8 R31: library part RES_SMD_4.7K_1%, "RES 4.7K OHM 1/8W 1% 0805 SMD"
R10 R12 R16 R37: library part RES_SMD_10K_5%, "RES 10K OHM 1/8W 5% 0805 SMD"
R15 R40 R41: library part RES_SMD_10R_5%, "RES 10 OHM 1/8W 1% 0805 SMD"
R18 R19 R20 R21 R22 R23 R24 R25 R26 R27 R28: library part RES_SMD_1K_5%, "RES - 1K OHM, 5%, 1/8W, 0805 SMD"
R29: library part RES_SMD_18K_1%, "RES 18K OHM 1/8W 1% 0805 SMD"
R30: library part RES_SMD_45.3K, "RES 45.3K OHM 1/8W 1% 0805 SMD"
R32: library part RES_SMD_0_CURRENT, "RES 0.0 OHM 1/8W JUMP 0805 SMD"
R36 R43: library part RES_SMD_47K_1%, "RES 47K OHM 1/8W 1% 0805"
U2: library part MC-306
U10: "IC REG BUCK ADJ 2.5A SOIC8"
X1 X2 X3 X4 X6: library part SW1
X9: library part OSC25M
X12 X13: library part SMA_CONN
X14: library part SIM_CARD_115I-AEAA
X18: library part USB-A-FEMALE
X20: library part USB_MICRO
XS1: library part USB_MINI_16M2764

## Via types
v1: diameter 0.9, hole 0.5, Top Layer to Bottom Layer, tented both sides, 302 vias
v2: diameter 0.75, hole 0.45, Top Layer to Bottom Layer, tented both sides, 4 vias
v3: diameter 1, hole 0.5, Top Layer to Bottom Layer, tented both sides, 3 vias
v4: diameter 0.75, hole 0.45, Top Layer to Bottom Layer, 3 vias
v5: diameter 0.9, hole 0.5, Top Layer to Bottom Layer, 1 vias

## Nets (pads, with @x,y where several pads share a name; then routed paths per layer and width w, separated by ;. In a path a pad name is that pad's centre, name@x,y a point inside that pad or via, vN(x,y) a via of type N, cw(c..) or ccw(c..) an arc to the next point about the centre after c; other vN are vias at no path point)
2V8: R19.2 R24.2 R25.2 U5.43 U7.8 | length 52.8
  Top Layer w0.2: v1(34.7,-66.4) 34.479,-66.621 U5.43@34.479,-69.5 34.479,-71.979 34.95,-72.45 R19.2@34.95,-73.7 ; v1(49.8,-55.2) 49.81,-55.19 U7.8@54.354,-55.19 ; v1(59.6,-53.7) 64.6,-53.7 65.629,-54.729 R25.2@65.629,-56.5 R24.2@65.629,-58.8
  Bottom Layer w0.2: v1(34.7,-66.4) 45.9,-55.2 v1(49.8,-55.2) 50.8,-54.2 51.3,-53.7 v1(59.6,-53.7)
3V3_CPU: C7.1 C8.1 C9.1 C10.1 C11.1 C12.1 C13.1 C14.1 C25.2 C26.1 C27.1 C28.1 C33.1 C34.1 C35.1 C36.1 C43.1 C44.1 C45.1 C51.1 C52.1 L1.1 L2.2 R2.1 R8.2 R10.1 R12.2 R16.1 R18.2 R21.2 R22.2 R35.2 R36.2 R37.2 R42.2 U1.11 U1.19 U1.28 U1.50 U1.75 U1.100 U3.9 U3.22 U3.23 U8.6 U9.6 U11.5 X10.3 X17.4 | length 494.5
  Top Layer w0.2: 41.4,-30.8 41.5,-30.7 v1(42.7,-30.7) ; v1(46.5,-31.8) 48.1,-33.4 51.6,-33.4 52.15,-32.85 C11.1@52.15,-31.7 C9.1@52.15,-29.5 54.9,-29.5 ; C35.1@46.95,-4.6 50.6,-4.6 51.95,-5.95 C34.1@51.95,-8.5 51.85,-8.6 C33.1@51.85,-11.1 ; C36.1@47.15,-12.9 47.58,-12.9 U8.6@49.4,-11.08 51.83,-11.08 C33.1@51.85,-11.1 ; 53.9,-29.5 54.9,-29.5 ; v1(55.5,-13.9) 54.666,-13.9 51.866,-11.1 C33.1@51.85,-11.1 ; v1(55.6,-28.8) 54.9,-29.5 ; C14.1@57,-10.85 57,-12.2 v1(57.7,-12.9) 58.4,-12.9 59,-13.5 U1.50@59,-13.925 ; U1.75@57.175,-27.75 56.65,-27.75 54.9,-29.5 ; v1(58.9,-6.2) 62.75,-6.2 R16.1@64.8,-8.25 64.8,-7.4 66.15,-6.05 67.111,-6.05 67.461,-5.7 R12.2@69.1,-5.7 ; U1.28@70,-13.925 70,-12.75 69.3,-12.05 C7.1@69.3,-10.5 69.3,-9.7 68.375,-8.775 68.321,-8.775 68,-8.454 68,-6.8 R12.2@69.1,-5.7 ; 71,-23.3 71,-22.4 v1(71.3,-22.1) ; U1.19@72.825,-18.75 74.25,-18.75 74.75,-19.25 ; C13.1@74.7,-34.15 C10.1@72.4,-34.15 72.4,-33.1 71,-31.7 U1.100@71,-29.575 70.925,-29.5 70.925,-28.749 70.676,-28.5 70.6,-28.5 70.6,-23.7 71.55,-22.75 U1.11@72.825,-22.75 74.25,-22.75 74.8,-23.3 C8.1@76.45,-23.3 ; v1(74.7,-20.2) 74.7,-19.3 74.75,-19.25 ; 75.65,-19.25 74.75,-19.25 ; R10.1@77.75,-5.9 v1(80,-5.9) 81.4,-5.9 89.8,-14.3 91.9,-14.3 93.1,-13.1 93.1,-5.1 90.65,-2.65 R2.1@90.65,-2.1 84.8,-2.1 84.1,-1.4 72.12,-1.4 X10.3@70.32,-3.2 69.1,-4.42 R12.2@69.1,-5.7 ; L1.1@78.425,-12.75 79.95,-12.75 ; v1(80.4,-8.2) 80.6,-8.4 80.6,-9.159 80.55,-9.209 80.55,-9.831 80.6,-9.881 80.6,-12.1 79.95,-12.75 ; 74.75,-19.25 C12.1@76.55,-19.25 78.1,-20.8 81.4,-20.8 82.5,-19.7 82.5,-14.2 81.05,-12.75 79.95,-12.75
  Top Layer w0.3: R42.2@23.65,-31.9 25.35,-33.6 28.9,-33.6 30.5,-35.2 30.5,-35.7 31,-36.2 32.8,-36.2 33.8,-35.2 R36.2@33.8,-33.45 R35.2@36.1,-33.45 37.25,-34.6 39.4,-34.6 41.4,-32.6 41.4,-30.8 41.4,-28.1 40,-26.7 R37.2@38.05,-26.7 ; R18.2@35.05,-80.3 36.95,-82.2 44.6,-82.2 44.7,-82.1 44.7,-78.6 45.15,-78.15 C43.1@46,-78.15 C44.1@48.3,-78.15 ; R22.2@49.329,-62.8 49.329,-65.4 ; U11.5@50.075,-85.25 51.25,-85.25 52.4,-84.1 52.4,-78.7 51.85,-78.15 C45.1@50.6,-78.15 C44.1@48.3,-78.15 ; R21.2@65.629,-61.4 65.629,-62.771 63,-65.4 49.329,-65.4 ; C44.1@48.3,-78.15 48.3,-67.8 49.329,-66.771 49.329,-65.4
  Top Layer w0.4: 51.25,-85.25 51.55,-85.25 52,-85.7 52,-87.8 48.7,-91.1 48.7,-105.7 50,-107 58.1,-107 64.37,-100.73 64.37,-83.1 ; C52.1@65.05,-74.6 C51.1@65.05,-77.2 65.05,-79.32 X17.4@64.37,-80 64.37,-83.1 ; C10.1@72.4,-34.15 72.1,-34.15 R8.2@70.1,-36.15 70.1,-36.9 71,-37.8 79.6,-37.8 91.9,-50.1 C28.1@91.9,-67.05 ; U3.22@88.6,-65.9 90.4,-65.9 ; U3.23@88.6,-64.8 89.7,-64.8 90.4,-65.5 90.4,-65.9 ; L2.2@90.7,-85.325 90.575,-85.45 C25.2@86.4,-85.45 82.25,-85.45 79.9,-83.1 75.6,-83.1 ; C27.1@94.2,-67.05 C28.1@91.9,-67.05 ; 64.37,-83.1 75.6,-83.1 ; 75.6,-83.1 76.1,-82.6 76.1,-79.6 74.9,-78.4 73.7,-78.4 72.7,-77.4 72.7,-74.3 73.05,-73.95 C26.1@74.3,-73.95 74.95,-73.95 75.4,-74.4 U3.9@77,-74.4 80.4,-74.4 83.2,-71.6 89.6,-71.6 90.4,-70.8 90.4,-67.1 ; 90.4,-67.1 91.85,-67.1 C28.1@91.9,-67.05 ; 90.4,-67.1 90.4,-65.9
  Bottom Layer w0.2: v1(42.7,-30.7) 42.5,-30.5 45.2,-30.5 v1(46.5,-31.8) ; U9.6@47,-10.7 47.38,-11.08 U8.6@49.4,-11.08 ; v1(55.6,-28.8) 55.5,-28.7 v1(55.5,-13.9) 56.7,-13.9 v1(57.7,-12.9) 58.2,-12.4 58.2,-6.9 v1(58.9,-6.2) ; v1(71.3,-22.1) 71.1,-22.1 71.1,-20.9 71.8,-20.2 v1(74.7,-20.2) ; v1(80,-5.9) 80.4,-6.3 v1(80.4,-8.2)
4V2: C29.1 C30.1 C31.1 C32.1 C37.1 C41.1 C42.1 C55.1 L3.2 R28.2 R30.1 U5.37 U5.38 U11.1 U11.3 U13.5 | length 148.1
  Top Layer w0.3: C31.1@29.279,-74.6 v1(29.279,-72.379) ; v1(32.5,-28.3) 33.75,-27.05 33.75,-26.55 35.75,-24.55 38.55,-24.55 C55.1@38.55,-24.4
  Top Layer w0.5: C37.1@29.4,-84.9 31.7,-82.6 36.1,-82.6 38.65,-85.15 R28.2@39.8,-85.15 42.25,-85.15 C42.1@42.3,-85.2 C41.1@44.7,-85.2 47.075,-85.2 U11.1@47.125,-85.25 48.05,-85.25 48.5,-85.7 48.5,-87 48.35,-87.15 U11.3@47.125,-87.15
  Top Layer w1: R30.1@15.9,-96.95 15.9,-94.5 14.525,-93.125 L3.2@14.525,-89.6 ; U5.38@23.879,-69.5 23.879,-73.9 C30.1@24.579,-74.6 ; C31.1@29.279,-74.6 C30.1@24.579,-74.6 ; C37.1@29.4,-84.9 22.5,-84.9 17.8,-89.6 L3.2@14.525,-89.6 ; L3.2@14.525,-89.6 14.525,-84.225 11.9,-81.6 11.9,-75.2 12.5,-74.6 22.379,-74.6 C30.1@24.579,-74.6
  Top Layer w1.1: 22.379,-74.6 U5.37@22.379,-69.5
  Bottom Layer w0.3: v1(29.279,-72.379) 30.4,-71.257 30.4,-34.8 32.5,-32.7 v1(32.5,-28.3)
CPU_BOOT0: R12.1 R14.1 U1.94 X10.2 | length 33.7
  Top Layer w0.2: U1.94@68,-29.575 68,-18.7 72.86,-13.84 X10.2@72.86,-3.2 71.2,-4.86 R12.1@71.2,-5.7 R14.1@71.2,-7.8
CPU_BOOT1: R16.2 R17.2 U1.37 | length 5.9
  Top Layer w0.2: U1.37@65.5,-13.925 65.5,-12.3 64.8,-11.6 R16.2@64.8,-10.35 R17.2@66.8,-10.35
CPU_JTCK/SWCLK: U1.76 X10.8 | length 30.4
  Top Layer w0.2: X10.8@57.62,-3.2 55.4,-5.42 55.4,-12 61,-17.6 61,-25.5 59,-27.5 U1.76@59,-29.575